# Altium PCB 400236.PcbDoc (part 1 of 5) (continued)
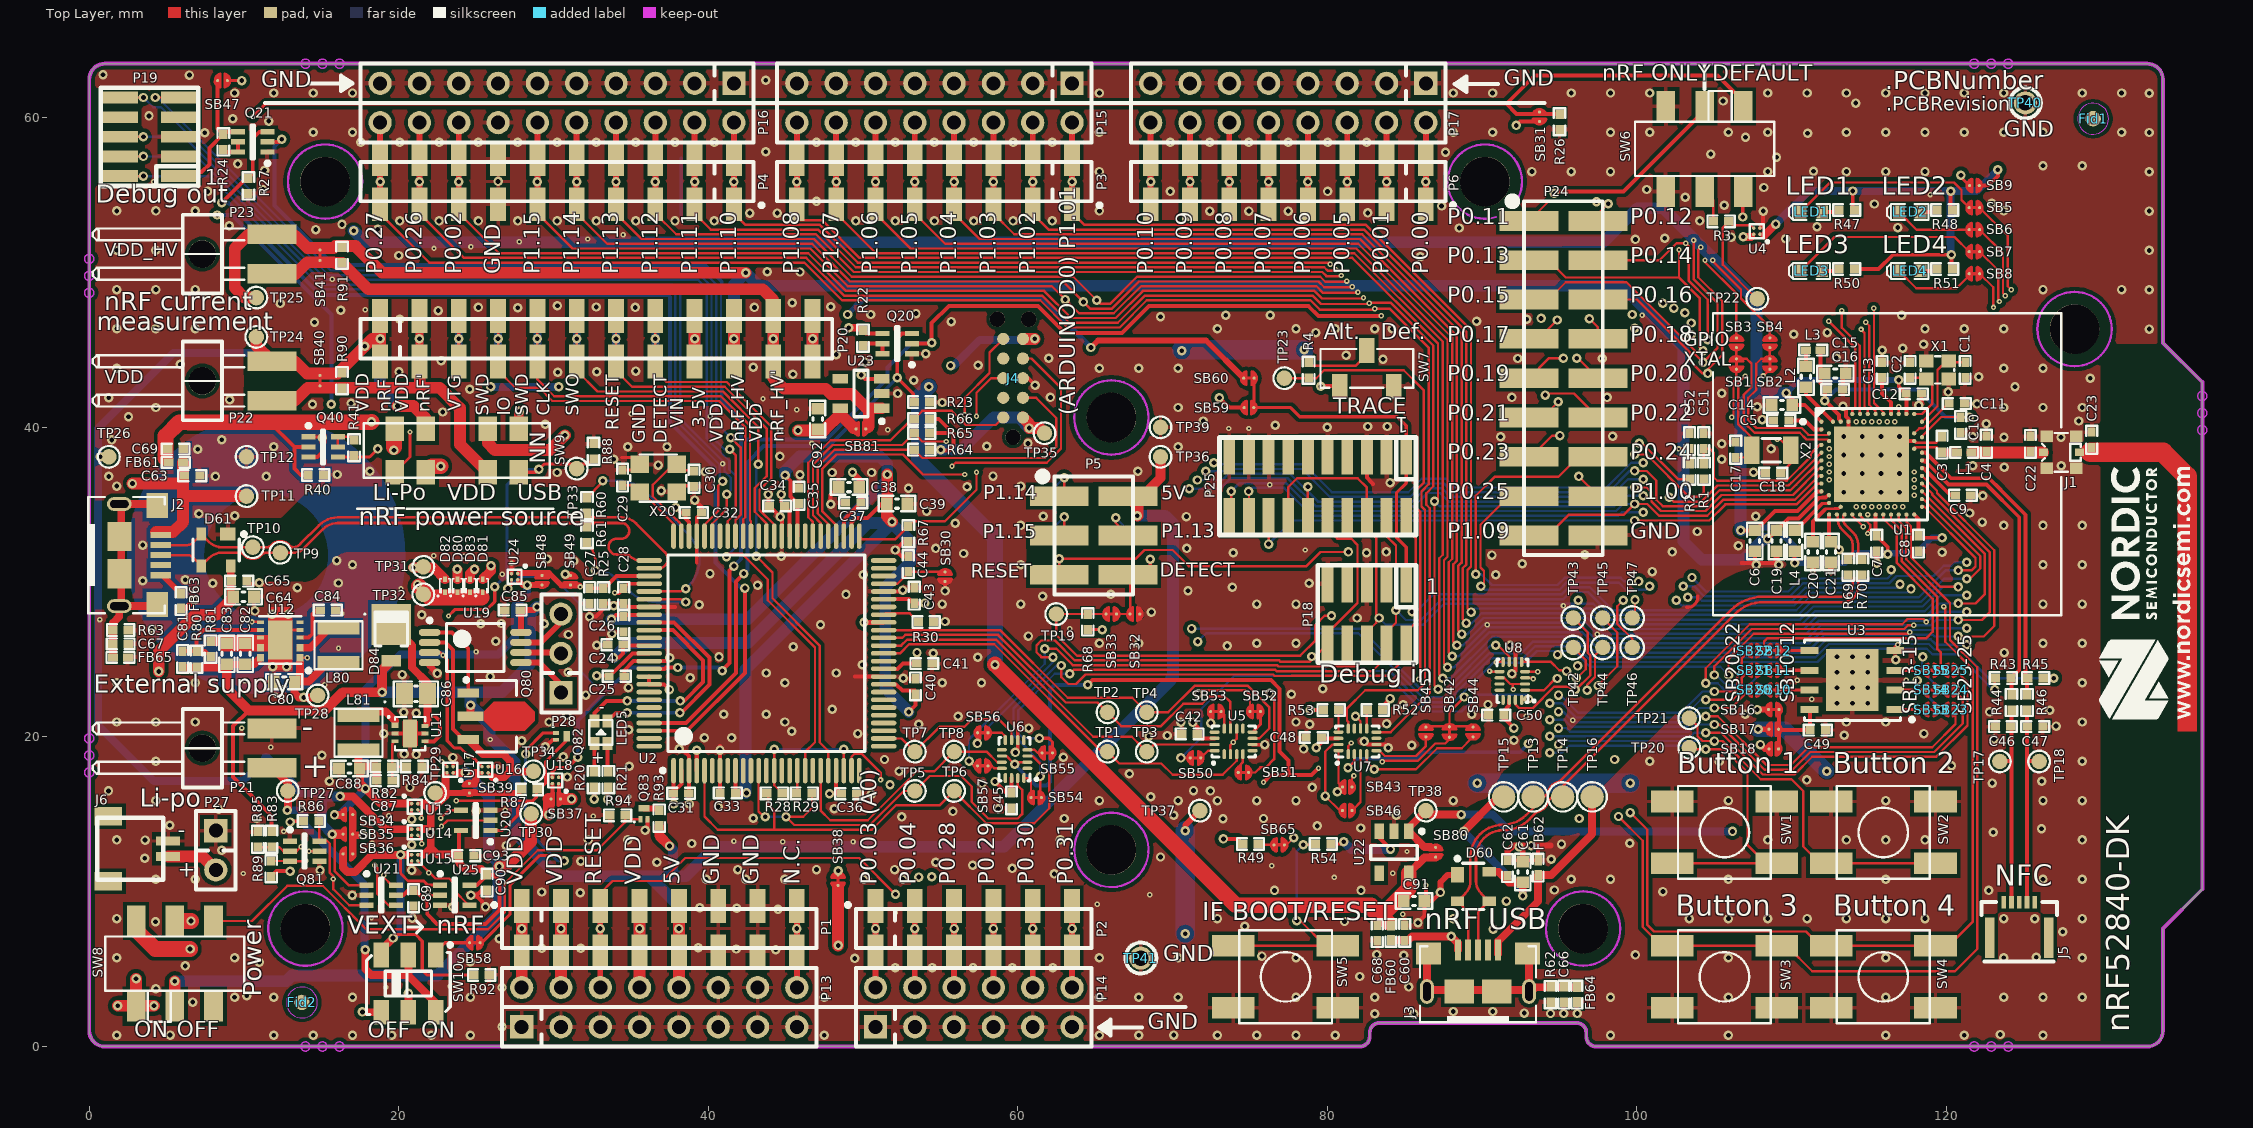
[diagram p0: Top Layer view]
## Components (designator, comment, footprint, x,y, rotation, side; value= is the part's Value field where it differs from the comment) (continued)
Q83 "RV2C010UNT2L" DFN65P100X40-3L 35.839,15.037 r90 top
R1 "0R" RESC1005X04L 104.318,37.16 r90 top
R2 "0R" RESC1005X04L 103.403,37.16 r90 top
R3 "10k" RESC1005X04L 105.435,53.315 r180 top
R4 "10k" RESC1005X04L 78.791,43.688 r90 top
R20 "220R" RESC1005X04L 32.585,17.247 r270 top
R21 "220R" RESC1005X04L 33.537,17.247 r270 top
R22 "10k" RESC1005X04L 49.996,45.771 r270 top
R23 "10k" RESC1005X04L 53.797,41.631 r180 top
R24 "10k" RESC1005X04L 8.661,58.445 r270 top
R25 "6k8" RESC1005X04L 33.213,29.108 r90 top
R26 "47k" RESC1005X04L 94.996,59.741 r270 top
R27 "10k" RESC1005X04L 10.287,55.601 r90 top
R28 "150R" RESC1005X04L 44.272,16.358 r180 top
R29 "150R" RESC1005X04L 46.203,16.358 r0 top
R30 "0R" RESC1005X04L 54.067,27.432 r180 top
R40 "150k" RESC1005X04L 14.63,36.932 r0 top
R41 "1M0" RESC1005X04L 17.12,38.684 r90 top
R43 "N.C." RESC1005X04L 123.669,23.8 r0 top
R44 "0R" RESC1005X04L 124.206,22.225 r90 top
R45 "N.C." RESC1005X04L 125.751,23.8 r180 top
R46 "0R" RESC1005X04L 125.197,22.225 r90 top
R47 "220R" RESC1005X04L 113.559,54.044 r0 top
R48 "220R" RESC1005X04L 119.884,54.044 r0 top
R49 "10k" RESC1005X04L 75.032,13.081 r180 top
R50 "220R" RESC1005X04L 113.559,50.234 r0 top
R51 "220R" RESC1005X04L 119.884,50.234 r0 top
R52 "4k7" RESC1005X04L 83.083,21.742 r180 top
R53 "4k7" RESC1005X04L 80.239,21.742 r0 top
R54 "N.C." RESC1005X04L 79.731,13.081 r0 top
R60 "39R" RESC1005X04L 32.157,34.949 r270 top
R61 "39R" RESC1005X04L 32.157,33.063 r90 top
R62 "10k" RESC1005X04L 94.418,3.355 r90 top
R63 "10k" RESC1005X04L 2.028,26.899 r180 top
R64 "4k7" RESC1005X04L 53.797,38.557 r0 top
R65 "4k7" RESC1005X04L 53.797,39.624 r0 top
R66 "4k7" RESC1005X04L 53.797,40.538 r0 top
R67 "4k7" RESC1005X04L 52.924,33.122 r270 top
R68 "1M0" RESC1005X04L 64.516,27.432 r270 top
R69 "0R" RESC1005X04L 113.65,30.958 r270 top
R70 "0R" RESC1005X04L 114.565,30.958 r270 top
R80 "270k" RESC1005X04L 6.934,25.019 r270 top
R81 "30k" RESC1005X04L 7.849,25.679 r270 top
R82 "330k" RESC1005X04L 19.05,18.085 r180 top
R83 "820k" RESC1005X04L 11.782,13.386 r270 top
R84 "120k" RESC1005X04L 21.006,18.085 r180 top
R85 "470k" RESC1005X04L 10.893,13.386 r90 top
R86 "1M0" RESC1005X04L 14.351,14.554 r0 top
R87 "1M0" RESC1005X04L 28.448,16.612 r0 top
R88 "N.C." RESC1005X04L 32.588,38.456 r90 top
R89 "1M0" RESC1005X04L 11.76,11.481 r90 top
R90 "N.C." RESC1005X04L 16.332,43.025 r90 top
R91 "N.C." RESC1005X04L 16.332,51.13 r90 top
R92 "10M" RESC1005X04L 25.349,4.623 r0 top
R93 "1k" RESC1005X04L 36.83,14.757 r90 top
R94 "10M" RESC1005X04L 34.138,14.935 r180 top
SB1 "Solderbridge" Solderbridge_Shorted#1 106.426,44.094 r90 top net-tie
SB2 "Solderbridge" Solderbridge_Shorted#1 108.585,44.094 r90 top net-tie
SB3 "Solderbridge" Solderbridge#1 106.426,45.466 r90 top
SB4 "Solderbridge" Solderbridge#2 108.585,45.466 r90 top
SB5 "Solderbridge" Solderbridge_Shorted#1 121.801,54.197 r180 top net-tie
SB6 "Solderbridge" Solderbridge_Shorted#1 121.801,52.774 r180 top net-tie
SB7 "Solderbridge" Solderbridge_Shorted#1 121.801,51.352 r180 top net-tie
SB8 "Solderbridge" Solderbridge_Shorted#1 121.801,49.93 r180 top net-tie
SB9 "Solderbridge" Solderbridge#3 121.802,55.619 r0 top
SB10 "Solderbridge" Solderbridge_Shorted#1 108.839,23.038 r0 top net-tie
SB11 "Solderbridge" Solderbridge_Shorted#1 108.839,24.308 r0 top net-tie
SB12 "Solderbridge" Solderbridge_Shorted#1 108.839,25.578 r0 top net-tie
SB13 "Solderbridge" Solderbridge_Shorted#1 118.999,21.768 r180 top net-tie
SB14 "Solderbridge" Solderbridge_Shorted#1 118.999,23.038 r180 top net-tie
SB15 "Solderbridge" Solderbridge_Shorted#1 118.999,24.308 r180 top net-tie
SB16 "Solderbridge" Solderbridge_Shorted#1 108.839,21.768 r0 top net-tie
SB17 "Solderbridge" Solderbridge#3 108.839,20.498 r0 top
SB18 "Solderbridge" Solderbridge#3 108.839,19.228 r0 top
SB20 "Solderbridge" Solderbridge#2 107.569,23.038 r180 top
SB21 "Solderbridge" Solderbridge#3 107.569,24.308 r180 top
SB22 "Solderbridge" Solderbridge#2 107.569,25.578 r180 top
SB23 "Solderbridge" Solderbridge#2 120.269,21.768 r0 top
SB24 "Solderbridge" Solderbridge#2 120.269,23.038 r0 top
SB25 "Solderbridge" Solderbridge#3 120.269,24.308 r0 top
SB30 "Solderbridge" Solderbridge#2 55.297,30.353 r270 top
SB31 "Solderbridge" Solderbridge#2 93.701,60.071 r90 top
SB32 "Solderbridge" Solderbridge#2 67.564,27.94 r180 top
SB33 "Solderbridge" Solderbridge_Shorted#1 66.04,27.94 r180 top net-tie
SB34 "Solderbridge" Solderbridge#2 16.716,14.986 r180 top
SB35 "Solderbridge" Solderbridge#2 16.713,13.716 r180 top
SB36 "Solderbridge" Solderbridge#2 16.716,12.446 r180 top
SB37 "Solderbridge" Solderbridge#2 30.144,15.992 r180 top
SB38 "Solderbridge" Solderbridge_Shorted#1 48.387,10.744 r90 top net-tie
SB39 "Solderbridge" Solderbridge#4 24.562,16.688 r270 top
SB40 "Solderbridge" Solderbridge_Shorted#1 14.91,43.025 r270 top net-tie
SB41 "Solderbridge" Solderbridge_Shorted#1 14.91,51.13 r270 top net-tie
SB42 "Solderbridge" Solderbridge_Shorted#1 87.884,20.32 r90 top net-tie
SB43 "Solderbridge" Solderbridge#2 81.28,16.764 r0 top
SB44 "Solderbridge" Solderbridge#1 89.408,20.32 r90 top
SB45 "Solderbridge" Solderbridge#3 86.36,20.32 r90 top
SB46 "Solderbridge" Solderbridge#2 81.28,15.24 r180 top
SB47 "Solderbridge" Solderbridge#2 8.611,62.408 r180 top
SB48 "Solderbridge" Solderbridge#2 29.261,30.124 r270 top
SB49 "Solderbridge" Solderbridge#2 31.09,30.124 r270 top
SB50 "Solderbridge" Solderbridge_Shorted#2 71.476,18.644 r0 top net-tie
SB51 "Solderbridge" Solderbridge_Shorted#2 74.574,17.704 r180 top net-tie
SB52 "Solderbridge" Solderbridge_Shorted#2 75.336,21.641 r0 top net-tie
SB53 "Solderbridge" Solderbridge_Shorted#2 72.796,21.641 r0 top net-tie
SB54 "Solderbridge" Solderbridge_Shorted#2 61.189,16.078 r180 top net-tie
SB55 "Solderbridge" Solderbridge_Shorted#2 61.9,18.974 r180 top net-tie
SB56 "Solderbridge" Solderbridge_Shorted#2 57.734,20.269 r0 top net-tie
SB57 "Solderbridge" Solderbridge_Shorted#2 57.734,18.136 r0 top net-tie
SB58 "Solderbridge" Solderbridge_Shorted#1 24.917,6.706 r180 top net-tie
SB59 "Solderbridge" Solderbridge#4 74.93,41.275 r180 top
SB60 "Solderbridge" Solderbridge_Shorted#1 74.93,43.18 r180 top net-tie
SB65 "Solderbridge" Solderbridge_Shorted#1 76.886,13.03 r180 top net-tie
SB80 "Solderbridge" Solderbridge#1 86.995,12.548 r270 top
SB81 "Solderbridge" Solderbridge#2 49.86,39.903 r180 top
SW1 "PB SW" Switch-PB-6.2x6.3mm-SMD 105.653,13.83 r0 top locked
SW2 "PB SW" Switch-PB-6.2x6.3mm-SMD 115.915,13.83 r0 top locked
SW3 "PB SW" Switch-PB-6.2x6.3mm-SMD 105.653,4.502 r180 top locked
SW4 "PB SW" Switch-PB-6.2x6.3mm-SMD 115.915,4.502 r180 top locked
SW5 "PB SW" Switch-PB-6.2x6.3mm-SMD 77.292,4.502 r180 top
SW6 "MKH-22D14-G2-B" MKH-22D14-G2-B 104.369,57.988 r180 top
SW7 "Switch" CJS-120xA 82.55,43.815 r0 top
SW8 "MKH-22D14-G2-B" MKH-22D14-G2-B 5.528,5.359 r0 top
SW9 "JS203011JCQN" Switch-Slide-J-Lead-DP3T-13x3.5mm 23.749,38.506 r0 top locked
SW10 "CAS-220TA" CAS-220TA 20.625,4.064 r180 top
TP1 "Ø1.0mm,SMD" TP_SMD_Ø1.0mm 65.786,19.05 r90 top
TP2 "Ø1.0mm,SMD" TP_SMD_Ø1.0mm 65.786,21.59 r90 top
TP3 "Ø1.0mm,SMD" TP_SMD_Ø1.0mm 68.326,19.05 r90 top
TP4 "Ø1.0mm,SMD" TP_SMD_Ø1.0mm 68.326,21.59 r90 top
TP5 "Ø1.0mm,SMD" TP_SMD_Ø1.0mm 53.34,16.51 r90 top
TP6 "Ø1.0mm,SMD" TP_SMD_Ø1.0mm 55.88,16.51 r90 top
TP7 "Ø1.0mm,SMD" TP_SMD_Ø1.0mm 53.34,19.05 r90 top
TP8 "Ø1.0mm,SMD" TP_SMD_Ø1.0mm 55.88,19.05 r90 top
TP9 "Ø1.0mm,SMD" TP_SMD_Ø1.0mm 12.344,31.901 r90 top
TP10 "Ø1.0mm,SMD" TP_SMD_Ø1.0mm 10.566,32.259 r90 top
TP11 "Ø1.0mm,SMD" TP_SMD_Ø1.0mm 10.16,35.56 r90 top locked
TP12 "Ø1.0mm,SMD" TP_SMD_Ø1.0mm 10.16,38.1 r90 top locked
TP13 "Ø1.5mm,SMD" TP_SMD_Ø1.5mm 93.294,16.129 r0 top
TP14 "Ø1.5mm,SMD" TP_SMD_Ø1.5mm 95.199,16.129 r0 top
TP15 "Ø1.5mm,SMD" TP_SMD_Ø1.5mm 91.389,16.129 r0 top
TP16 "Ø1.5mm,SMD" TP_SMD_Ø1.5mm 97.104,16.129 r0 top
TP17 "Ø1.0mm,SMD" TP_SMD_Ø1.0mm 123.444,18.415 r90 top
TP18 "Ø1.0mm,SMD" TP_SMD_Ø1.0mm 125.984,18.415 r90 top
TP19 "Ø1.0mm,SMD" TP_SMD_Ø1.0mm 62.484,27.94 r90 top
TP20 "Ø1.0mm,SMD" TP_SMD_Ø1.0mm 103.378,19.304 r0 top
TP21 "Ø1.0mm,SMD" TP_SMD_Ø1.0mm 103.378,21.209 r0 top
TP22 "Ø1.0mm,SMD" TP_SMD_Ø1.0mm 107.772,48.311 r0 top
TP23 "Ø1.0mm,SMD" TP_SMD_Ø1.0mm 77.216,43.18 r0 top
TP24 "Ø1.0mm,SMD" TP_SMD_Ø1.0mm 10.795,45.847 r0 top
TP25 "Ø1.0mm,SMD" TP_SMD_Ø1.0mm 10.795,48.387 r0 top
TP26 "Ø1.0mm,SMD" TP_SMD_Ø1.0mm 1.27,38.1 r0 top
TP27 "Ø1.0mm,SMD" TP_SMD_Ø1.0mm 12.827,16.51 r0 top
TP28 "Ø1.0mm,SMD" TP_SMD_Ø1.0mm 14.757,22.682 r0 top
TP29 "Ø1.0mm,SMD" TP_SMD_Ø1.0mm 22.352,16.383 r0 top
TP30 "Ø1.0mm,SMD" TP_SMD_Ø1.0mm 28.55,15.037 r270 top
TP31 "Ø1.0mm,SMD" TP_SMD_Ø1.0mm 21.59,30.988 r90 top
TP32 "Ø1.0mm,SMD" TP_SMD_Ø1.0mm 21.59,29.21 r0 top
TP33 "Ø1.0mm,SMD" TP_SMD_Ø1.0mm 31.496,37.338 r0 top
TP34 "Ø1.0mm,SMD" TP_SMD_Ø1.0mm 28.702,17.78 r0 top
TP35 "Ø1.0mm,SMD" TP_SMD_Ø1.0mm 61.722,39.624 r0 top
TP36 "Ø1.0mm,SMD" TP_SMD_Ø1.0mm 69.215,38.1 r0 top
TP37 "Ø1.0mm,SMD" TP_SMD_Ø1.0mm 71.755,15.24 r0 top
TP38 "Ø1.0mm,SMD" TP_SMD_Ø1.0mm 86.36,15.24 r0 top
TP39 "Ø1.0mm,SMD" TP_SMD_Ø1.0mm 69.215,40.005 r0 top
TP40 "TP" TESTPAD-TH 125.095,60.96 r0 top
TP41 "TP" TESTPAD-TH 67.945,5.715 r0 top
TP42 "Ø1.0mm,SMD" TP_SMD_Ø1.0mm 95.885,25.781 r0 top
TP43 "Ø1.0mm,SMD" TP_SMD_Ø1.0mm 95.885,27.686 r0 top
TP44 "Ø1.0mm,SMD" TP_SMD_Ø1.0mm 97.79,25.781 r0 top
TP45 "Ø1.0mm,SMD" TP_SMD_Ø1.0mm 97.79,27.686 r0 top
TP46 "Ø1.0mm,SMD" TP_SMD_Ø1.0mm 99.695,25.781 r0 top
TP47 "Ø1.0mm,SMD" TP_SMD_Ø1.0mm 99.695,27.686 r0 top
U1 "nRF52840-QIAA" AQFN50P700X700X85_HS-74N 115.164,37.617 r0 top locked
U2 "ATSAM3U2CA-AU" TSQFP50P1600X1600X160-100N 43.754,25.4 r90 top locked
U3 "MX25R6435F" SON127P600X80_HS-9N 113.919,23.673 r180 top locked
U4 "SC728CSTRT" BGA4C40P2X2_76X76X62 107.744,52.676 r180 top
U5 "FSA2466UMX" XQFN40P180X260X50-16N 73.939,19.71 r90 top
U6 "FSA2466UMX" XQFN40P180X260X50-16N 59.792,18.567 r180 top
U7 "FSA2466UMX" XQFN40P180X260X50-16N 81.94,19.71 r90 top locked
U8 "FSA2466UMX" XQFN40P180X260X50-16N 91.948,23.622 r180 top locked
U11 "XC9236" USP-6C 20.726,20.218 r0 top
U12 "XC9131" "10-USPB (2.9x2.6)" 12.344,26.264 r180 top
U13 "SC728CSTRT" BGA4C40P2X2_76X76X62 21.031,15.494 r0 top
U14 "SC728CSTRT" BGA4C40P2X2_76X76X62 21.031,13.843 r0 top
U15 "SC728CSTRT" BGA4C40P2X2_76X76X62 21.031,12.192 r0 top
U16 "SC728CSTRT" BGA4C40P2X2_76X76X62 25.578,17.882 r180 top
U17 "SC728CSTRT" BGA4C40P2X2_76X76X62 23.317,17.882 r180 top
U18 "SC728CSTRT" BGA4C40P2X2_76X76X62 30.119,17.186 r180 top
U19 "TS27L2IPT" TSOP65P640X120-8N 24.943,25.781 r0 top
U20 "74LVC1G08" SOT65P210X100-5N 24.968,14.605 r180 top
U21 "74LVC1G11" SOT65P210X100-6N 18.872,9.779 r0 top
U22 "TCK106AF" SOT95P280X140-5N 84.303,12.548 r270 top
U23 "TCK106AF" SOT95P280X140-5N 49.86,42.189 r180 top
U24 "SC728CSTRT" BGA4C40P2X2_76X76X62 27.483,30.353 r270 top
U25 "74LVC1G08" SOT65P210X100-5N 23.622,9.779 r0 top
X1 "32MHz" BT-XTAL_2016 119.425,43.713 r180 top
X2 "32.768kHz" XTAL_3215 108.671,38.525 r0 top
X20 "12MHz" BT-XTAL_3225 36.769,36.728 r180 top

## Footprints (in the part's own frame and the unit in brackets; to place one, negate y for a bottom-side part, rotate by r counter-clockwise, add the part's x,y. Pads: shape width x height; smd on the part's side, far side on the other; paste and mask are expansions set on the pad)
"10-USPB (2.9x2.6)" [mm] "PQFN, 10-Leads, Body 2.60x2.90mm, Pitch 0.50mm, Thermal Pad 1.60x2.50mm, IPC Medium Density"
  rect 0.45x0.475 smd paste-0.088 mask+0.07: 1(-1.27,1.15) 2(-1.27,0.5) 9(1.27,0.5) 10(1.27,1.15)
  rect 0.45x0.25 smd paste-0.05 mask+0.07: 3(-1.27,-0.15) 4(-1.27,-0.65) 5(-1.27,-1.15) 6(1.27,-1.15) 7(1.27,-0.65) 8(1.27,-0.15)
  rect 1.6x2.5 smd paste-5: 11(0,0)
  silkscreen extent -1.95,-1.53 1.35,2.1, body extent -1.3,-1.45 1.3,1.45, height 0.6
AQFN50P700X700X85_HS-74N [mm] "AQFN, 73-Leads, Body 7.00x7.00mm, Pitch 0.50mm, Thermal Pad 4.95x4.95mm, IPC Medium Density"
  rect 4.85x4.85 smd mask+0.05: 74(0,0)
  round 0.275 smd paste+0.012 mask+0.05: A8(-1.25,3.25) A10(-0.75,3.25) A12(-0.25,3.25) A14(0.25,3.25) A16(0.75,3.25) A18(1.25,3.25) A20(1.75,3.25) A22(2.25,3.25) A23(2.75,3.25) AA24(3.25,-2.25) AB2(-2.75,-2.5) AC5(-2,-2.75) AC9(-1,-2.75) AC11(-0.5,-2.75) AC13(0,-2.75) AC15(0.5,-2.75) AC17(1,-2.75) AC19(1.5,-2.75) AC21(2,-2.75) AC24(3.25,-2.75) AD2(-2.75,-3.25) AD4(-2.25,-3.25) AD6(-1.75,-3.25) AD8(-1.25,-3.25) AD10(-0.75,-3.25) AD12(-0.25,-3.25) AD14(0.25,-3.25) AD16(0.75,-3.25) AD18(1.25,-3.25) AD20(1.75,-3.25) AD22(2.25,-3.25) AD23(2.75,-3.25) B1(-3.25,2.75) B3(-2.5,2.75) B5(-2,2.75) B7(-1.5,2.75) B9(-1,2.75) B11(-0.5,2.75) B13(0,2.75) B15(0.5,2.75) B17(1,2.75) B19(1.5,2.75) B24(3.25,2.75) C1(-3.25,2.25) D2(-2.75,2) D23(2.75,2) E24(3.25,1.75) F2(-2.75,1.5) F23(2.75,1.5) G1(-3.25,1.25) H2(-2.75,1) H23(2.75,1) J1(-3.25,0.75) J24(3.25,0.75) K2(-2.75,0.5) L1(-3.25,0.25) L24(3.25,0.25) M2(-2.75,0) N1(-3.25,-0.25) N24(3.25,-0.25) P2(-2.75,-0.5) P23(2.75,-0.5) R1(-3.25,-0.75) R24(3.25,-0.75) T2(-2.75,-1) T23(2.75,-1) U1(-3.25,-1.25) U24(3.25,-1.25) V23(2.75,-1.5) W1(-3.25,-1.75) W24(3.25,-1.75) Y2(-2.75,-2) Y23(2.75,-2)
  silkscreen extent -4.56,-3.6 3.6,3.6, body extent -3.55,-3.55 3.55,3.55, height 0.85
BGA4C40P2X2_76X76X62 [mm] "BGA, 4-Leads, Body 0.8x0.8mm,  Pitch 0.40mm"
  round 0.22 smd mask+0.06: A1(-0.2,0.2) A2(0.2,0.2) B1(-0.2,-0.2) B2(0.2,-0.2)
  silkscreen extent -0.74,-0.45 0.45,0.74, body extent -0.38,-0.38 0.38,0.38, height 0.63
BT-XTAL_2016 [mm] "Crystal 2.0 x 1.6 mm"
  rect 0.95x0.85 smd: 1(-0.725,-0.575) 2(0.725,-0.575) 3(0.725,0.575) 4(-0.725,0.575)
  silkscreen extent -1.08,-0.88 1.08,0.88, body extent -1.05,-0.85 1.05,0.85, height 0.56
BT-XTAL_3225 [mm] "Mercury X32 series"
  rect 1.2x1.1 smd: 1(-1.194,-0.89) 2(1.194,-0.89) 3(1.194,0.891) 4(-1.194,0.891)
  silkscreen extent -1.8,-1.52 1.8,1.52, body extent -1.6,-1.25 1.6,1.25, height 0.6
CAPC1005X04L [mm] "Chip Capacitor, 2-Leads, Body 1.0x0.5mm, IPC High Density"
  rect 0.6x0.5 smd: 1(-0.5,0) 2(0.5,0)
  silkscreen extent -0.9,-0.35 0.9,0.35, body extent -0.51,-0.25 0.51,0.25, height 0.5
CAPC1608X06L [mm] "Chip Capacitor, 2-Leads, Body 1.6x0.8mm, IPC High Density"
  rect 0.75x0.8 smd: 1(-0.675,0) 2(0.675,0)
  silkscreen extent -1.17,-0.5 1.17,0.5, body extent -0.8,-0.43 0.8,0.43, height 0.8
CAPC2012X11L [mm] "Chip Capacitor, 2-Leads, Body 2.0x1.3mm, IPC High Density"
  rect 1.1x1.4 smd: 1(-0.75,0) 2(0.75,0)
  silkscreen extent -1.43,-0.8 1.42,0.8, body extent -1,-0.62 1,0.63, height 0.77
CAS-220TA [mm] "SLIDE SWITCH DPDT J HOOK"
  rect 1x1.6 smd: 1(-1.75,-1.85) 2(0,-1.85) 3(1.75,-1.85) 4(-1.75,1.85) 5(0,1.85) 6(1.75,1.85)
  silkscreen extent -2.8,-2.6 2.7,2, body extent -2.7,-2.15 2.7,2.16, height 2.51
CJS-120xA [mm] "Slide Switches - SPDT, SMD, ON-ON"
  rect 1x1.6 smd: 1(1.75,-1.15) 2(0,1.15) 3(-1.75,-1.15)
  silkscreen extent -3,-1.25 3,1.25, body extent -3,-1.4 3,1.45, height 2.5
COAXIAL-SWF [mm]
  rect 0.5x0.58 smd: 1(0,1.16) 3(0,-1.16)
  rect 0.75x0.8 smd: 2(-1.025,-0.95) 2(-1.025,0.95) 2(1.025,-0.95) 2(1.025,0.95)
  Top Layer pour cut-out: -0.65,0.55 0.65,0.55 0.65,1.35 -0.65,1.35
  Top Layer pour cut-out: 0.65,-0.55 -0.65,-0.55 -0.65,-1.35 0.65,-1.35
  silkscreen extent -1.25,-1.25 1.25,1.25, body extent -1.26,-1.3 1.26,1.3, height 1.55
CR2032_HOLDER_SMD [mm] "CR2032 - SMD mount coin cell bat holder"
  round 18 on Bottom Solder paste+0: 0(0,0)
  rect 5.08x5.08 smd: 1(-13.081,0) 1(13.081,0)
  rrect50% 10x10 smd paste-9: 2(0,0)
  Top Layer circle w5: c0,0 r6.5
  silkscreen extent -10.54,-9.53 10.54,11.43, body extent -15.37,-10.27 15.37,9.78, height 3.96
DFN65P100X40-3L [mm] "DFN, 3-Leads, Body 0.60x1.00mm, Pitch 0.65mm, IPC High Density"
  rect 0.4x0.25 smd: 1(-0.35,0.225) 2(-0.35,-0.225)
  rect 0.4x0.7 smd: 3(0.35,0)
  silkscreen extent -0.57,0.58 -0.48,0.67, body extent -0.53,-0.33 0.53,0.33, height 0.4
DO-216AA [mm]
  rect 0.762x1.27 smd: 1(1.65,0)
  rect 2.67x2.54 smd: 3(-0.7,0)
  silkscreen extent -1.6,-1.05 0.7,1.05, body extent -1.9,-1 1.95,1, height 1.01
Fiducial [mm] "Fiducial Mark"
  round 1 smd paste+0 mask+0.5: 0(0,0)
  round 1 smd far side paste+0 mask+0.5: 0(0,0)
  Top Layer keep-out circle w0.01: c0,0 r1
  Bottom Layer keep-out circle w0.01: c0,0 r1
FPC_05P-0.5mm-RA-SMD [mm] "FPC, 5-Leads, Pitch 0,5mm"
  rect 0.6x2.6 smd: 0(-0.9,-2.3) 0(2.9,-2.3)
  rect 0.3x0.8 smd: 1(0,0) 2(0.5,0) 3(1,0) 4(1.5,0) 5(2,0)
  silkscreen extent -1.45,-3.85 3.45,0, body extent -1.3,-3.85 3.3,0.2, height 1.2
HDR_2x3-SMD [mil] "Board-Board Conn, Header, 6-way, 2-row"
  rect 50x150 smd: 1(-100,-87.5) 2(-100,87.5) 3(0,-87.5) 4(0,87.5) 5(100,-87.5) 6(100,87.5)
  silkscreen extent -160,-140 150,100, body extent -150,-148 150,148, height 382
HDR_2x5-SMD-1.27mm-K [mm] "SMT MICRO HEADER, (1,27) .050\" Keying Shroud"
  rect 0.76x2.4 smd: 1(-2.54,-1.95) 2(-2.54,1.95) 3(-1.27,-1.95) 4(-1.27,1.95) 5(0,-1.95) 6(0,1.95) 7(1.27,-1.95) 8(1.27,1.95) 9(2.54,-1.95) 10(2.54,1.95)
  silkscreen extent -3.18,-3.15 3.18,3.15, body extent -3.14,-2.92 3.14,2.92, height 6.11
HDR_2x6-NC [mm] "Pin Header, 2.54mm through hole"
  rect 1.5x1.5 hole 0.9: 1(-6.35,-1.27)
  round 1.5 hole 0.9: 2(-6.35,1.27) 3(-3.81,-1.27) 4(-3.81,1.27) 5(-1.27,-1.27) 6(-1.27,1.27) 7(1.27,-1.27) 8(1.27,1.27) 9(3.81,-1.27) 10(3.81,1.27) 11(6.35,-1.27) 12(6.35,1.27)
  silkscreen extent -7.62,-2.54 7.62,2.54
HDR_2x8-NC [mm] "Pin Header, 2.54mm through hole"
  rect 1.5x1.5 hole 0.9: 1(-8.89,-1.27)
  round 1.5 hole 0.9: 2(-8.89,1.27) 3(-6.35,-1.27) 4(-6.35,1.27) 5(-3.81,-1.27) 6(-3.81,1.27) 7(-1.27,-1.27) 8(-1.27,1.27) 9(1.27,-1.27) 10(1.27,1.27) 11(3.81,-1.27) 12(3.81,1.27) 13(6.35,-1.27) 14(6.35,1.27) 15(8.89,-1.27) 16(8.89,1.27)
  silkscreen extent -10.16,-2.54 10.16,2.54
HDR_2x10-NC [mm] "Pin Header, 2.54mm through hole"
  rect 1.5x1.5 hole 0.9: 1(-11.43,-1.27)
  round 1.5 hole 0.9: 2(-11.43,1.27) 3(-8.89,-1.27) 4(-8.89,1.27) 5(-6.35,-1.27) 6(-6.35,1.27) 7(-3.81,-1.27) 8(-3.81,1.27) 9(-1.27,-1.27) 10(-1.27,1.27) 11(1.27,-1.27) 12(1.27,1.27) 13(3.81,-1.27) 14(3.81,1.27) 15(6.35,-1.27) 16(6.35,1.27) 17(8.89,-1.27) 18(8.89,1.27) 19(11.43,-1.27) 20(11.43,1.27)
  silkscreen extent -12.7,-2.54 12.7,2.54
HDR_2x10-SMD-1.27mm-NC [mm] "SMT MICRO HEADER, (1,27) .050\""
  rect 0.76x2.4 smd paste-5: 1(-5.715,-1.95) 2(-5.715,1.95) 3(-4.445,-1.95) 4(-4.445,1.95) 5(-3.175,-1.95) 6(-3.175,1.95) 7(-1.905,-1.95) 8(-1.905,1.95) 9(-0.635,-1.95) 10(-0.635,1.95) 11(0.635,-1.95) 12(0.635,1.95) 13(1.905,-1.95) 14(1.905,1.95) 15(3.175,-1.95) 16(3.175,1.95) 17(4.445,-1.95) 18(4.445,1.95) 19(5.715,-1.95) 20(5.715,1.95)
  silkscreen extent -6.35,-3.15 6.35,3.15
INDC1005X04L [mm] "Chip Inductor, 2-Leads, Body 1.0x0.5mm, IPC High Density"
  rect 0.65x0.5 smd: 1(-0.475,0) 2(0.475,0)
  silkscreen extent -0.9,-0.35 0.9,0.35, body extent -0.5,-0.3 0.5,0.3, height 0.5
INDC1608X06L [mm] "Chip Inductor, 2-Leads, Body 1.6x0.8mm, IPC High Density"
  rect 0.75x0.8 smd: 1(-0.675,0) 2(0.675,0)
  silkscreen extent -1.17,-0.5 1.17,0.5, body extent -0.8,-0.48 0.8,0.48, height 0.8
LED_0603_G [mil] "SMD Super Bright LED, GREEN"
  rect 30x32 smd: 1(-27.5,0) 2(27.5,0)
  silkscreen extent -58,-20 48,20, body extent -32,-16 32,16, height 24
LED_DUAL_0606 [mm]
  rect 0.65x0.85 smd paste+0: 1(0.425,0.725) 2(-0.425,0.725) 3(0.425,-0.725) 4(-0.425,-0.725)
  silkscreen extent -0.75,-0.8 0.75,0.8, body extent -0.75,-0.8 0.75,0.8, height 0.55
LIST_1x2-NC [mm] "Pin List, 2.54mm through hole"
  rect 1.5x1.5 hole 0.9: 1(-1.27,0)
  round 1.5 hole 0.9: 2(1.27,0)
  silkscreen extent -2.54,-1.27 2.54,1.27
LIST_1x3-NC [mm] "Pin List, 2.54mm through hole"
  rect 1.5x1.5 hole 0.9: 1(-2.54,0)
  round 1.5 hole 0.9: 2(0,0) 3(2.54,0)
  silkscreen extent -3.81,-1.27 3.81,1.27
LIST_1x6_SMD-NC [mm] "Pin List, 2.54mm, SMD"
  rect 1.02x2.19 smd paste+0: 1(0,-1.465) 1(0,1.465) 2(2.54,-1.465) 2(2.54,1.465) 3(5.08,-1.465) 3(5.08,1.465) 4(7.62,-1.465) 4(7.62,1.465) 5(10.16,-1.465) 5(10.16,1.465) 6(12.7,-1.465) 6(12.7,1.465)
  silkscreen extent -1.27,-1.27 13.97,1.27
LIST_1x8_SMD-NC [mm] "Pin List, 2.54mm, SMD"
  rect 1.02x2.19 smd paste+0: 1(0,-1.465) 1(0,1.465) 2(2.54,-1.465) 2(2.54,1.465) 3(5.08,-1.465) 3(5.08,1.465) 4(7.62,-1.465) 4(7.62,1.465) 5(10.16,-1.465) 5(10.16,1.465) 6(12.7,-1.465) 6(12.7,1.465) 7(15.24,-1.465) 7(15.24,1.465) 8(17.78,-1.465) 8(17.78,1.465)
  silkscreen extent -1.27,-1.27 19.05,1.27
LIST_1x10_SMD-NC [mm] "Pin List, 2.54mm, SMD"
  rect 1.02x2.19 smd paste+0: 1(0,-1.465) 1(0,1.465) 2(2.54,-1.465) 2(2.54,1.465) 3(5.08,-1.465) 3(5.08,1.465) 4(7.62,-1.465) 4(7.62,1.465) 5(10.16,-1.465) 5(10.16,1.465) 6(12.7,-1.465) 6(12.7,1.465) 7(15.24,-1.465) 7(15.24,1.465) 8(17.78,-1.465) 8(17.78,1.465) 9(20.32,-1.465) 9(20.32,1.465) 10(22.86,-1.465) 10(22.86,1.465)
  silkscreen extent -1.27,-1.27 24.13,1.27
LIST_1x12_SMD [mm] "Pin List, 2.54mm, SMD"
  rect 1.02x2.19 smd: 1(0,-1.465) 1(0,1.465) 2(2.54,-1.465) 2(2.54,1.465) 3(5.08,-1.465) 3(5.08,1.465) 4(7.62,-1.465) 4(7.62,1.465) 5(10.16,-1.465) 5(10.16,1.465) 6(12.7,-1.465) 6(12.7,1.465) 7(15.24,-1.465) 7(15.24,1.465) 8(17.78,-1.465) 8(17.78,1.465) 9(20.32,-1.465) 9(20.32,1.465) 10(22.86,-1.465) 10(22.86,1.465) 11(25.4,-1.465) 11(25.4,1.465) 12(27.94,-1.465) 12(27.94,1.465)
  silkscreen extent -1.27,-1.27 29.21,1.27, body extent -1.27,-2.5 29.21,2.5, height 9.82
LIST_1x12_SMD-NC [mm] "Pin List, 2.54mm, SMD"
  rect 1.02x2.19 smd paste+0: 1(0,-1.465) 1(0,1.465) 2(2.54,-1.465) 2(2.54,1.465) 3(5.08,-1.465) 3(5.08,1.465) 4(7.62,-1.465) 4(7.62,1.465) 5(10.16,-1.465) 5(10.16,1.465) 6(12.7,-1.465) 6(12.7,1.465) 7(15.24,-1.465) 7(15.24,1.465) 8(17.78,-1.465) 8(17.78,1.465) 9(20.32,-1.465) 9(20.32,1.465) 10(22.86,-1.465) 10(22.86,1.465) 11(25.4,-1.465) 11(25.4,1.465) 12(27.94,-1.465) 12(27.94,1.465)
  silkscreen extent -1.27,-1.27 29.21,1.27
LIST_ANG_1x2-SMD-2.54MM [mm] "Pin List, 2.54mm, Surface Mount, Angled"
  round 1.78 hole 1.78 unplated: 0(0,-4.496)
  rect 1.27x3.18 smd: 1(-1.27,0) 2(1.27,0)
  silkscreen extent -2.54,-11.58 2.54,-1.8, body extent -2.56,-11.61 2.52,1.35, height 3.03
MKH-22D14-G2-B [mm] "Slide Switches - DPDT, SMD, ON-ON"
  rect 1.2x2 smd: 1(2.5,-2.75) 2(0,-2.75) 3(-2.5,-2.75) 4(2.5,2.75) 5(0,2.75) 6(-2.5,2.75)
  silkscreen extent -4.5,-3.75 4.5,1.75, body extent -4.25,-3.75 4.25,2.5, height 3.5
RESC1005X04L [mm] "Chip Resistor, 2-Leads, Body 1.0x0.5mm, IPC High Density"
  rect 0.6x0.55 smd: 1(-0.5,0) 2(0.5,0)
  silkscreen extent -0.87,-0.38 0.88,0.38, body extent -0.5,-0.25 0.5,0.25, height 0.3
SM02B-SRSS-TB [mm] "JST, SH connector, side entry SMD, 1mm pitch"
  rect 1.2x1.8 smd: 0(-2.1,-3.875) 0(2.1,-3.875)
  rect 0.6x1.55 smd: 1(-0.5,0) 2(0.5,0)
  silkscreen extent -2,-4.57 2,-0.33, body extent -1.99,-4.58 1.99,0.41, height 3
SOCKET_1x6_SMD [mm] "Socket, 2.54mm, SMD"
  rect 1.02x2.19 smd: 1(0,-1.465) 1(0,1.465) 2(2.54,-1.465) 2(2.54,1.465) 3(5.08,-1.465) 3(5.08,1.465) 4(7.62,-1.465) 4(7.62,1.465) 5(10.16,-1.465) 5(10.16,1.465) 6(12.7,1.465) 6(12.7,-1.465)
  silkscreen extent -1.27,-1.27 13.97,1.27, body extent -1.27,-2.29 13.97,2.29, height 7.47
SOCKET_1x8_SMD [mm] "Socket, 2.54mm, SMD"
  rect 1.02x2.19 smd: 1(0,-1.465) 1(0,1.465) 2(2.54,-1.465) 2(2.54,1.465) 3(5.08,-1.465) 3(5.08,1.465) 4(7.62,-1.465) 4(7.62,1.465) 5(10.16,-1.465) 5(10.16,1.465) 6(12.7,1.465) 6(12.7,-1.465) 7(15.24,-1.465) 7(15.24,1.465) 8(17.78,-1.465) 8(17.78,1.465)
  silkscreen extent -1.27,-1.27 19.05,1.27, body extent -1.27,-2.29 19.05,2.29, height 7.47
SOCKET_1x10_SMD [mm] "Socket, 2.54mm, SMD"
  rect 1.02x2.19 smd: 1(0,1.465) 1(0,-1.465) 2(2.54,-1.465) 2(2.54,1.465) 3(5.08,-1.465) 3(5.08,1.465) 4(7.62,-1.465) 4(7.62,1.465) 5(10.16,-1.465) 5(10.16,1.465) 6(12.7,-1.465) 6(12.7,1.465) 7(15.24,-1.465) 7(15.24,1.465) 8(17.78,-1.465) 8(17.78,1.465) 9(20.32,-1.465) 9(20.32,1.465) 10(22.86,-1.465) 10(22.86,1.465)
  silkscreen extent -1.27,-1.27 24.13,1.27, body extent -1.27,-2.29 24.13,2.29, height 7.47
SOCKET_2x3_SMD-2.54mm-bottom-NC [mm] "Socket, 2.54mm, SMD"
  rect 1.02x2.22 smd far side: 1(-2.54,-2.825) 2(-2.54,2.825) 3(0,-2.825) 4(0,2.825) 5(2.54,-2.825) 6(2.54,2.825)
SOCKET_2x9_SMD-2.54mm [mil] "CONN HEADER VERT DUAL 18POS SMD - FEMALE HEADER, PCB, 0.1\", 10+10WAY"
  rect 50x150 smd: 1(-400,-87.5) 2(-400,87.5) 3(-300,-87.5) 4(-300,87.5) 5(-200,-87.5) 6(-200,87.5) 7(-100,-87.5) 8(-100,87.5) 9(0,-87.5) 10(0,87.5) 11(100,-87.5) 12(100,87.5) 13(200,-87.5) 14(200,87.5) 15(300,-87.5) 16(300,87.5) 17(400,-87.5) 18(400,87.5)
  silkscreen extent -460,-140 450,100, body extent -450,-138 450,139, height 290
SODFL100X40-2N [mm] "SODFL, 2-Leads, Body 0.60x1.00mm, IPC Medium Density"
  rect 0.36x0.25 smd: 1(-0.42,0) 2(0.42,0)
  silkscreen extent -0.7,-0.35 0.5,0.5, body extent -0.5,-0.33 0.5,0.33, height 0.4
Solderbridge#1 [mm]
  round 0.2 smd paste-10: 1(-0.312,0) 2(0.312,0)
  Top Layer region: -0.077,-0.432 -0.152,-0.505 -0.271,-0.467 -0.335,-0.424 -0.409,-0.351 -0.462,-0.292 -0.521,-0.193 -0.549,-0.099 -0.544,0.122 -0.518,0.193 -0.434,0.33 -0.351,0.411 -0.259,0.469 -0.157,0.5 -0.107,0.483 -0.077,0.43
  Top Layer region: 0.077,0.432 0.152,0.505 0.271,0.467 0.335,0.424 0.409,0.351 0.462,0.292 0.521,0.193 0.549,0.099 0.544,-0.122 0.518,-0.193 0.434,-0.33 0.351,-0.411 0.259,-0.469 0.157,-0.5 0.107,-0.483 0.077,-0.43
  Top Layer lines w0.152: -0.153,0.431 ccw(c-0.042,0) -0.153,-0.431 ; 0.153,0.431 cw(c0.042,0) 0.487,0 cw(c0.042,0) 0.461,-0.149 cw(c0.042,0) 0.153,-0.431
Solderbridge#2 [mm]
  round 0.2 smd paste-10: 1(-0.312,0) 2(0.312,0)
  Top Layer region: -0.077,-0.432 -0.152,-0.505 -0.271,-0.467 -0.335,-0.424 -0.409,-0.351 -0.462,-0.292 -0.521,-0.193 -0.549,-0.099 -0.544,0.122 -0.518,0.193 -0.434,0.33 -0.351,0.411 -0.259,0.469 -0.157,0.5 -0.107,0.483 -0.077,0.43
  Top Layer region: 0.077,0.432 0.152,0.505 0.271,0.467 0.335,0.424 0.409,0.351 0.462,0.292 0.521,0.193 0.549,0.099 0.544,-0.122 0.518,-0.193 0.434,-0.33 0.351,-0.411 0.259,-0.469 0.157,-0.5 0.107,-0.483 0.077,-0.43
  Top Layer lines w0.152: -0.153,0.431 ccw(c-0.042,0) -0.153,-0.431 ; 0.153,0.431 cw(c0.042,0) 0.153,-0.431
Solderbridge#3 [mm]
  round 0.2 smd paste-10: 1(-0.312,0) 2(0.312,0)
  Top Layer region: -0.077,-0.432 -0.152,-0.505 -0.271,-0.467 -0.335,-0.424 -0.409,-0.351 -0.462,-0.292 -0.521,-0.193 -0.549,-0.099 -0.544,0.122 -0.518,0.193 -0.434,0.33 -0.351,0.411 -0.259,0.469 -0.157,0.5 -0.107,0.483 -0.077,0.43
  Top Layer region: 0.077,0.432 0.152,0.505 0.271,0.467 0.335,0.424 0.409,0.351 0.462,0.292 0.521,0.193 0.549,0.099 0.544,-0.122 0.518,-0.193 0.434,-0.33 0.351,-0.411 0.259,-0.469 0.157,-0.5 0.107,-0.483 0.077,-0.43
  Top Layer lines w0.152: -0.153,-0.431 cw(c-0.042,0) -0.153,0.431 ; 0.153,-0.431 ccw(c0.042,0) 0.487,0 ccw(c0.042,0) 0.153,0.431
Solderbridge#4 [mm]
  round 0.2 smd paste-10: 1(-0.312,0) 2(0.312,0)
  Top Layer region: -0.077,-0.432 -0.152,-0.505 -0.271,-0.467 -0.335,-0.424 -0.409,-0.351 -0.462,-0.292 -0.521,-0.193 -0.549,-0.099 -0.544,0.122 -0.518,0.193 -0.434,0.33 -0.351,0.411 -0.259,0.469 -0.157,0.5 -0.107,0.483 -0.077,0.43
  Top Layer region: 0.077,0.432 0.152,0.505 0.271,0.467 0.335,0.424 0.409,0.351 0.462,0.292 0.521,0.193 0.549,0.099 0.544,-0.122 0.518,-0.193 0.434,-0.33 0.351,-0.411 0.259,-0.469 0.157,-0.5 0.107,-0.483 0.077,-0.43
  Top Layer lines w0.152: 0.153,-0.431 ccw(c0.042,0) 0.302,-0.361 ccw(c0.042,0) 0.302,0.361 ccw(c0.042,0) 0.153,0.431 ; -0.153,-0.431 cw(c-0.042,0) -0.48,0.079 cw(c-0.042,0) -0.153,0.431
Solderbridge_Shorted#1 [mm]
  round 0.2 smd paste-10: 1(-0.338,0) 2(0.338,0)
  Top Layer region: 0.102,0.432 0.178,0.505 0.296,0.467 0.361,0.424 0.434,0.351 0.488,0.292 0.546,0.193 0.574,0.099 0.569,-0.122 0.544,-0.193 0.46,-0.33 0.376,-0.411 0.284,-0.469 0.183,-0.5 0.132,-0.483 0.102,-0.43
  Top Layer region: -0.102,-0.432 -0.178,-0.505 -0.296,-0.467 -0.361,-0.424 -0.434,-0.351 -0.488,-0.292 -0.546,-0.193 -0.574,-0.099 -0.569,0.122 -0.544,0.193 -0.46,0.33 -0.376,0.411 -0.284,0.469 -0.183,0.5 -0.132,0.483 -0.102,0.43
  Top Layer lines w0.152: -0.178,0.431 ccw(c-0.068,0) -0.178,-0.431 ; 0.178,0.431 cw(c0.068,0) 0.178,-0.431
  Top Layer lines w0.203: -0.338,0 0.338,0
Solderbridge_Shorted#2 [mm]
  round 0.2 smd paste-10: 1(-0.338,0) 2(0.338,0)
  Top Layer region: 0.102,0.432 0.178,0.505 0.296,0.467 0.361,0.424 0.434,0.351 0.488,0.292 0.546,0.193 0.574,0.099 0.569,-0.122 0.544,-0.193 0.46,-0.33 0.376,-0.411 0.284,-0.469 0.183,-0.5 0.132,-0.483 0.102,-0.43
  Top Layer region: -0.102,-0.432 -0.178,-0.505 -0.296,-0.467 -0.361,-0.424 -0.434,-0.351 -0.488,-0.292 -0.546,-0.193 -0.574,-0.099 -0.569,0.122 -0.544,0.193 -0.46,0.33 -0.376,0.411 -0.284,0.469 -0.183,0.5 -0.132,0.483 -0.102,0.43
  Top Layer lines w0.152: -0.178,-0.431 cw(c-0.068,0) -0.512,0 cw(c-0.068,0) -0.178,0.431 ; 0.178,-0.431 ccw(c0.068,0) 0.178,0.431
  Top Layer lines w0.203: -0.338,0 0.338,0
SON127P600X80_HS-9N [mm] "SON, 8-Leads, Body 5.00x6.00mm, Pitch 1.27mm, Thermal Pad 4.00x3.40mm, IPC Medium Density"
  rect 1.15x0.45 smd: 1(-2.77,1.905) 2(-2.77,0.635) 3(-2.77,-0.635) 4(-2.77,-1.905) 5(2.77,-1.905) 6(2.77,-0.635) 7(2.77,0.635) 8(2.77,1.905)
  rect 3.4x4 smd paste-1.7: 9(0,0)
  silkscreen extent -3.98,-2.6 3.1,2.67, body extent -3.05,-2.55 3.05,2.55, height 0.8
SOT65P210X100-5N [mm] "SOT23, 5-Leads, Body 2,2x2,4mm (max), Pitch 0,65mm, IPC Medium Density"
  rect 0.9x0.35 smd: 1(-0.95,0.65) 2(-0.95,0) 3(-0.95,-0.65) 4(0.95,-0.65) 5(0.95,0.65)
  silkscreen extent -1.08,-1.1 0.1,1.5, body extent -1.1,-1 1.1,1, height 0.97
SOT65P210X100-6N [mm] "SOT23, 6-Leads, Body 2,2x2,4mm (max), Pitch 0,65mm, IPC Medium Density"
  rect 0.9x0.35 smd: 1(-0.95,0.65) 2(-0.95,0) 3(-0.95,-0.65) 4(0.95,-0.65) 5(0.95,0) 6(0.95,0.65)
  silkscreen extent -1.08,-1.1 0.1,1.5, body extent -1.05,-1 1.05,1, height 0.92
SOT89-150P409X160-3N [mm] "SOT89, 3-Leads, Body 4.50x2.45mm, Pitch 1.50mm, Lead Span 4.1mm, IPC Medium Density"
  rect 1.4x0.6 smd: 1(-1.8,1.5) 3(-1.8,-1.5)
  rect 1.7x0.6 smd: 2(-1.65,0)
  Top Layer region: -0.8,0.3 -0.15,0.95 1.85,0.95 2.5,0.3 2.5,-0.3 1.85,-0.95 -0.15,-0.95 -0.8,-0.3
  silkscreen extent -2.05,-2.3 1.32,2.47, body extent -2.2,-2.3 1.93,2.3, height 1.6
SOT95P280X140-5N [mm] "SOT23, 5-Leads, Body 2,90x2,80mm, Pitch 0,95mm, IPC Medium Density"
  rect 1x0.6 smd: 1(-1.35,0.95) 2(-1.35,0) 3(-1.35,-0.95) 4(1.35,-0.95) 5(1.35,0.95)
  silkscreen extent -1.47,-1.5 0.45,1.93, body extent -1.5,-1.55 1.5,1.55, height 1.4
SOT190P230X110-4L [mm] "SOT143, 4-Leads, Body 3.0x2.5mm (max), Pitch 1.90mm, IPC High Density"
  rect 0.85x1 smd: 1(-1.025,0.75)
  rect 0.85x0.6 smd: 2(-1.025,-0.95) 3(1.025,-0.95) 4(1.025,0.95)
  silkscreen extent -1.15,-1.5 0.7,1.92, body extent -1.21,-1.46 1.21,1.46, height 1
Switch-PB-6.2x6.3mm-SMD [mm] "6.2×6.5mm TACT Switch, without ground connector"
  rect 2.75x1.4 smd: 1(-3.375,2) 1(3.375,2) 2(-3.375,-2) 2(3.375,-2)
  silkscreen extent -3,-3 3,3, body extent -4,-3 4,3.3, height 3.1
Switch-Slide-J-Lead-DP3T-13x3.5mm [mm] "Slide Switch - DP3T, SMD, ON-ON-ON"
  rect 1.2x1.6 smd: 1(-4,-1.4) 2(-2,-1.4) 3(2,-1.4) 4(4,-1.4) 5(-4,1.4) 6(-2,1.4) 7(2,1.4) 8(4,1.4)
  silkscreen extent -6,-1.75 6,1.75, body extent -6,-1.8 6,1.7, height 5.5
TC2050-IDC-NLFP [mil]
  round 39 hole 39 unplated: 0(-150,0) 0(150,-40) 0(150,40)
  round 31 smd paste-196.85: 1(-100,-25) 2(-50,-25) 3(0,-25) 4(50,-25) 5(100,-25) 6(100,25) 7(50,25) 8(0,25) 9(-50,25) 10(-100,25)
  Top Layer pour cut-out: -100,25 -100,-25 100,-25 100,25
TESTPAD-TH [mm]
  round 1.5 hole 1: 1(0,0)
  silkscreen extent -1,-1 1,1
TP_SMD_Ø1.0mm [mm]
  round 1 smd paste-5: 1(0,0)
  silkscreen extent -0.7,-0.7 0.7,0.7
TP_SMD_Ø1.5mm [mm]
  round 1.5 smd paste-5: 1(0,0)
  silkscreen extent -0.95,-0.95 0.95,0.95
TSOP65P640X120-8N [mm] "TSOP, 8-Leads, Body 3.00x4.40mm, Pitch 0.65mm, IPC Medium Density"
  oval 1.4x0.45 smd: 1(-2.95,0.975) 2(-2.95,0.325) 3(-2.95,-0.325) 4(-2.95,-0.975) 5(2.95,-0.975) 6(2.95,-0.325) 7(2.95,0.325) 8(2.95,0.975)
  silkscreen extent -3.07,-1.55 1.85,1.87, body extent -3.2,-1.55 3.2,1.55, height 1.2
TSQFP50P1600X1600X160-100N [mm] "TSQFP, 100-Leads, Body 16,0x16,0mm (max), Pitch 0,50mm, IPC Medium Density"
  oval 1.65x0.3 smd: 1(-7.575,6) 2(-7.575,5.5) 3(-7.575,5) 4(-7.575,4.5) 5(-7.575,4) 6(-7.575,3.5) 7(-7.575,3) 8(-7.575,2.5) 9(-7.575,2) 10(-7.575,1.5) 11(-7.575,1) 12(-7.575,0.5) 13(-7.575,0) 14(-7.575,-0.5) 15(-7.575,-1) 16(-7.575,-1.5) 17(-7.575,-2) 18(-7.575,-2.5) 19(-7.575,-3) 20(-7.575,-3.5) 21(-7.575,-4) 22(-7.575,-4.5) 23(-7.575,-5) 24(-7.575,-5.5) 25(-7.575,-6) 51(7.575,-6) 52(7.575,-5.5) 53(7.575,-5) 54(7.575,-4.5) 55(7.575,-4) 56(7.575,-3.5) 57(7.575,-3) 58(7.575,-2.5) 59(7.575,-2) 60(7.575,-1.5) 61(7.575,-1) 62(7.575,-0.5) 63(7.575,0) 64(7.575,0.5) 65(7.575,1) 66(7.575,1.5) 67(7.575,2) 68(7.575,2.5) 69(7.575,3) 70(7.575,3.5) 71(7.575,4) 72(7.575,4.5) 73(7.575,5) 74(7.575,5.5) 75(7.575,6)
  oval 0.3x1.65 smd: 26(-6,-7.575) 27(-5.5,-7.575) 28(-5,-7.575) 29(-4.5,-7.575) 30(-4,-7.575) 31(-3.5,-7.575) 32(-3,-7.575) 33(-2.5,-7.575) 34(-2,-7.575) 35(-1.5,-7.575) 36(-1,-7.575) 37(-0.5,-7.575) 38(0,-7.575) 39(0.5,-7.575) 40(1,-7.575) 41(1.5,-7.575) 42(2,-7.575) 43(2.5,-7.575) 44(3,-7.575) 45(3.5,-7.575) 46(4,-7.575) 47(4.5,-7.575) 48(5,-7.575) 49(5.5,-7.575) 50(6,-7.575) 76(6,7.575) 77(5.5,7.575) 78(5,7.575) 79(4.5,7.575) 80(4,7.575) 81(3.5,7.575) 82(3,7.575) 83(2.5,7.575) 84(2,7.575) 85(1.5,7.575) 86(1,7.575) 87(0.5,7.575) 88(0,7.575) 89(-0.5,7.575) 90(-1,7.575) 91(-1.5,7.575) 92(-2,7.575) 93(-2.5,7.575) 94(-3,7.575) 95(-3.5,7.575) 96(-4,7.575) 97(-4.5,7.575) 98(-5,7.575) 99(-5.5,7.575) 100(-6,7.575)
  silkscreen extent -7.7,-6.35 6.35,6.82, body extent -8,-8 8,8, height 1.6
TY-NR3015 [mm] "Molded Inductor, 2-Leads, Body 3.00x3.00mm, IPC Medium Density"
  rect 0.8x2.7 smd: 1(-1.1,0) 2(1.1,0)
  silkscreen extent -2.05,-1.55 1.55,1.75, body extent -1.5,-1.5 1.5,1.5, height 1.35
USB-Micro-B-RA-SMD-PiP [mm] "Micro USB B SMT"
  rect 1.35x0.4 smd: 1(0,1.3) 2(0,0.65) 3(0,0) 4(0,-0.65) 5(0,-1.3)
  oval 1.6x0.9 hole 0.5 slot 1.2 at 0 deg: 6(-2.675,-3.3) 6(-2.675,3.3)
  oval 2x1.5 on Top Paste: 6(-2.675,-3.3) 6(-2.675,3.3)
  rect 1.55x1.9 smd: 6(-2.675,-1.2) 6(-2.675,1.2)
  rect 1.4x1.6 smd: 6(-0.225,-3.2) 6(-0.225,3.2)
  silkscreen extent -4.75,-3.75 0.25,3.75, body extent -5.28,-4.1 0.15,4.1, height 2.72
USP-6C [mm] "DFN, 6-Leads, Body 2.00x1.80mm, Pitch 0.50mm, Thermal Pad 1.00x1.40mm, IPC Medium Density"
  rect 0.45x0.35 smd paste-0.05: 1(-0.975,0.55)
  rect 0.45x0.25 smd paste-0.05: 2(-0.975,0) 3(-0.975,-0.5) 4(0.975,-0.5) 5(0.975,0) 6(0.975,0.5)
  rect 0.9x1.8 smd paste-2: 7(0,0)
  Top Layer region: -0.5,-0.8 0.5,-0.8 0.5,0.8 -0.5,0.8
  silkscreen extent -1.42,-1.07 0.97,1.12, body extent -0.93,-1.02 0.93,1.02, height 0.6
XQFN40P180X260X50-16N [mm] "QFN, 16-Leads, Body 1.80x2.60mm, Pitch 0.40mm, IPC Medium Density"
  oval 0.65x0.22 smd paste-0.02 mask+0.062: 1(-0.825,0.6) 2(-0.825,0.2) 3(-0.825,-0.2) 4(-0.825,-0.6) 9(0.825,-0.6) 10(0.825,-0.2) 11(0.825,0.2) 12(0.825,0.6)
  oval 0.22x0.65 smd paste-0.02 mask+0.062: 5(-0.6,-1.225) 6(-0.2,-1.225) 7(0.2,-1.225) 8(0.6,-1.225) 13(0.6,1.225) 14(0.2,1.225) 15(-0.2,1.225) 16(-0.6,1.225)
  silkscreen extent -1.45,-1.4 1,1.4, body extent -0.91,-1.31 0.91,1.31, height 0.55
XTAL_3215 [mm] "XTAL SMD 3.2 x 1.5 mm"
  rect 1x1.8 smd: 1(-1.25,0) 2(1.25,0)
  silkscreen extent -0.6,-0.75 0.6,0.75, body extent -1.6,-0.75 1.6,0.75, height 0.81